# KiCad board AmigaPCI Mainboard.kicad_pcb (continued)
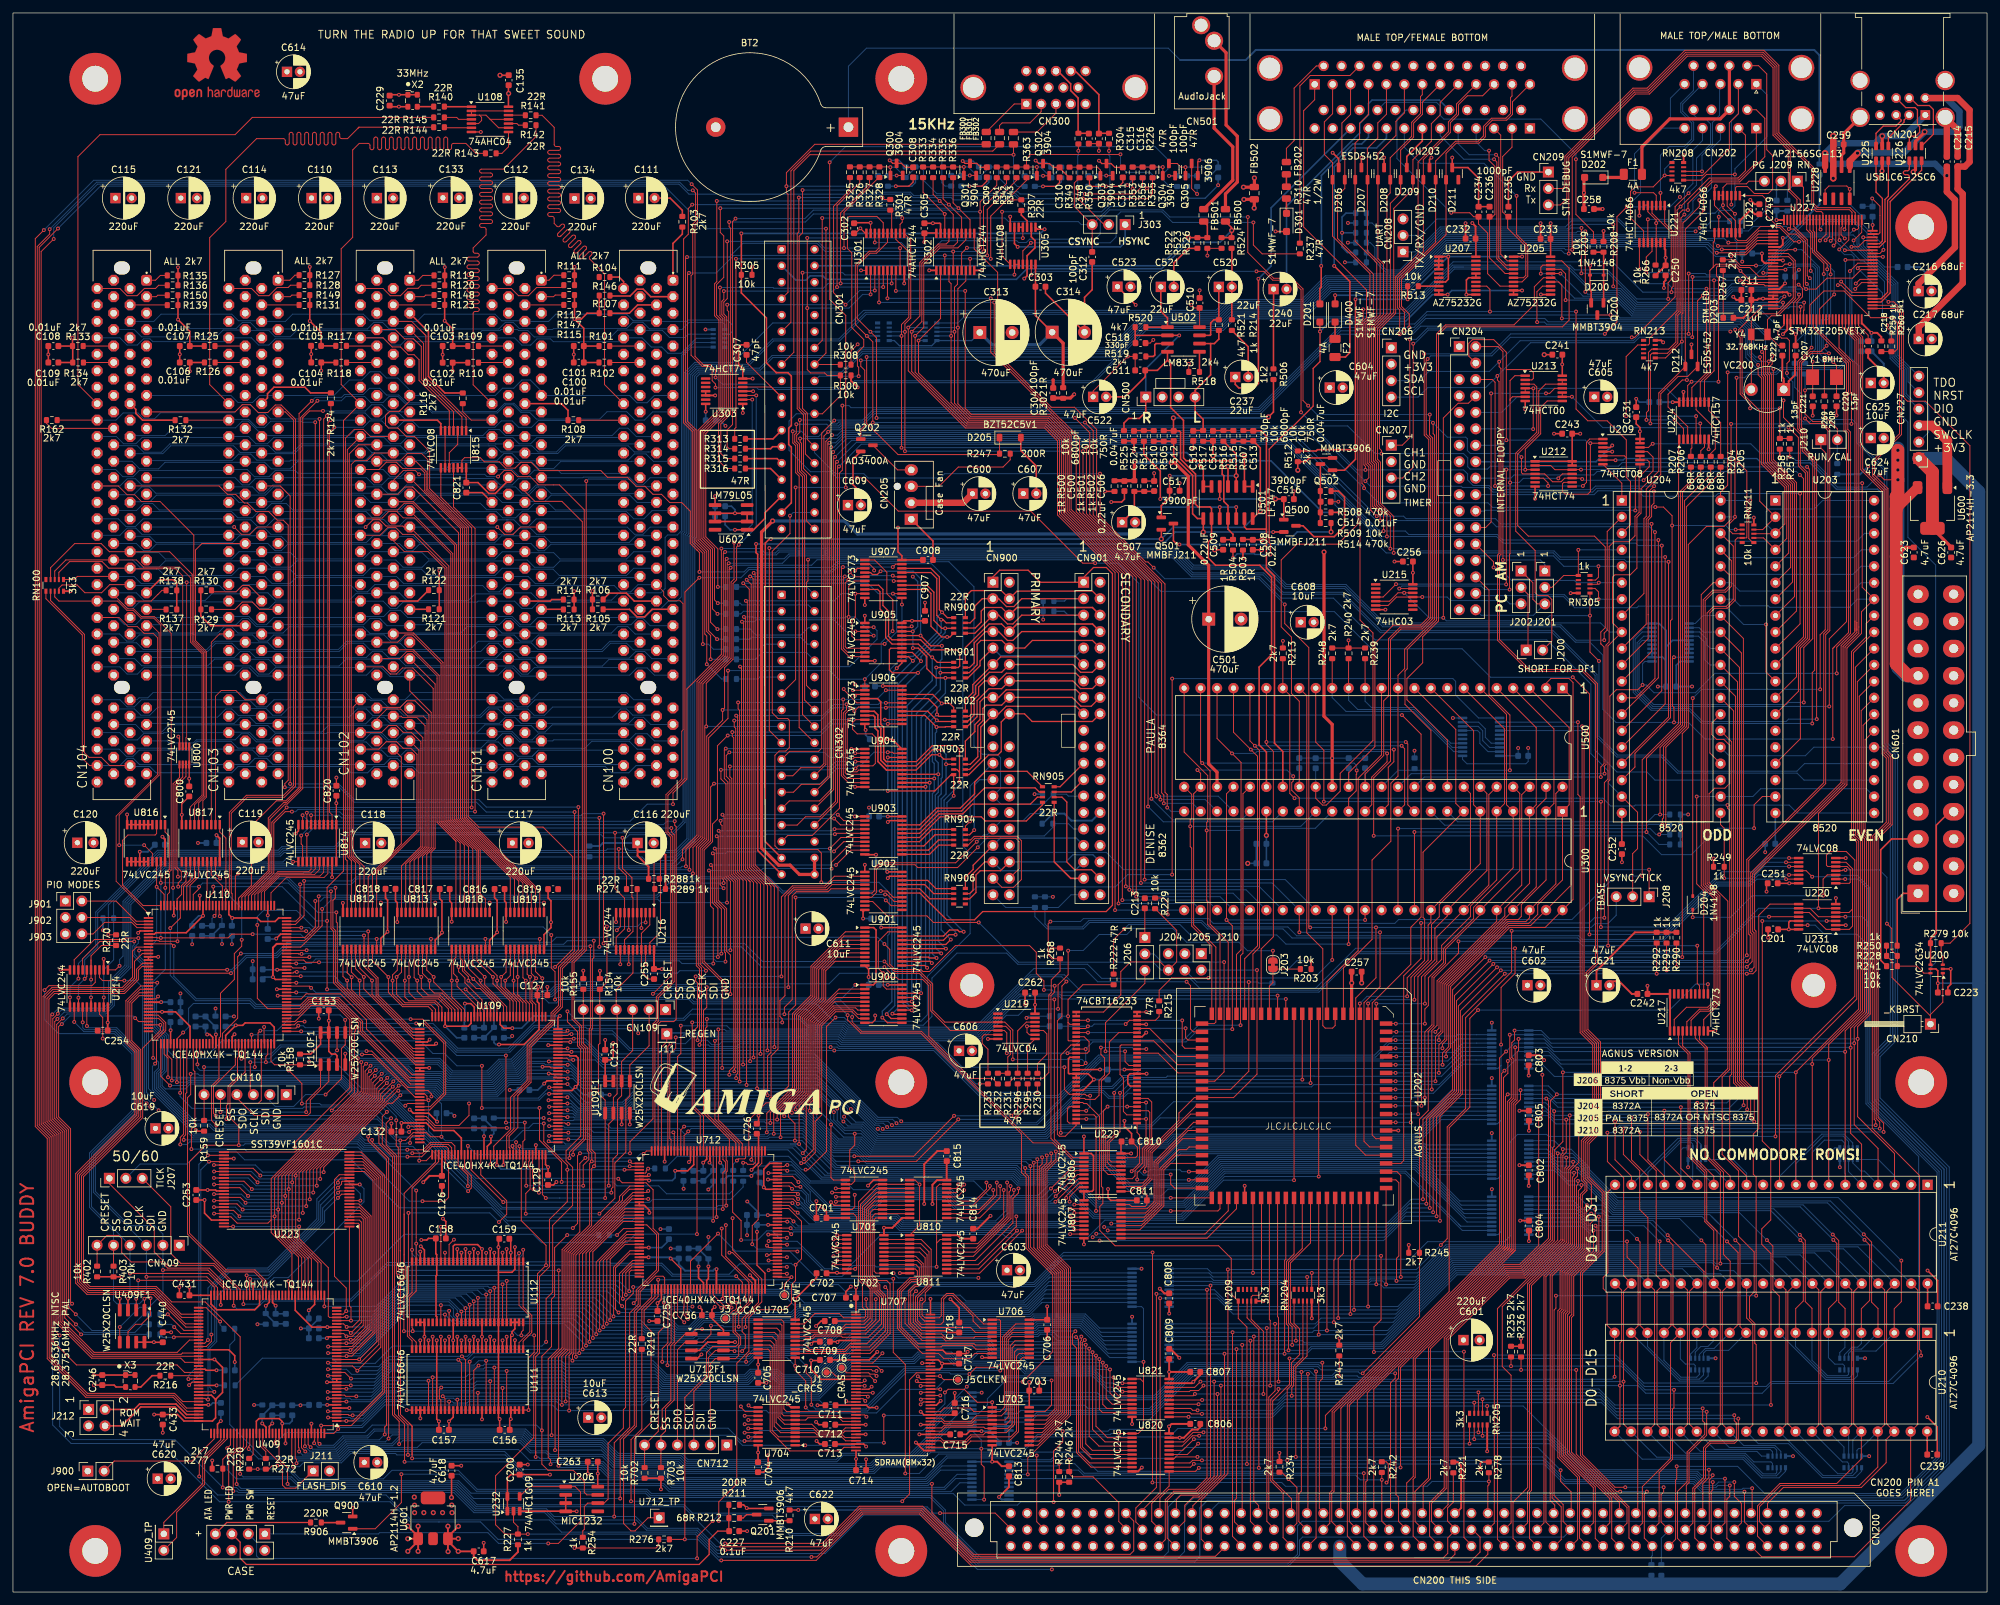
[diagram p0: board, top side]
## Routing (per net, layer and track width the routed paths; a pad name or vN(x,y) marks a point on that pad's centre or on a via; arc(x,y) is an arc through that point) (continued)
/Floppy and Parallel/_INUSE1: length 65.6
  Top w0.15: 230.57,188.77 230.57,177.88 v1(230.57,177.88) ; 230.57,188.77 230.57,191.45 228.63,193.39 225.35,193.39 224.77,192.82 224.77,190.85 CN204.4 ; 230.57,188.77 234.27,188.77 234.75,188.3 234.75,187.4 234.52,187.17 U213.2 ; U209.2 v1(243.55,177.4) 243.55,169.92 243.15,169.52 239.69,169.52 239.24,169.97 239.24,171.14 239.46,171.36 U212.9
  Bottom w0.15: v1(243.55,177.4) 243.25,177.4 242.77,177.88 v1(230.57,177.88) 229.78,177.08 CN204.14
/Floppy and Parallel/_IORST: length 53.9
  Top w0.15: v1(157.17,208.35) 155.93,207.11 U305.11 ; v1(191.52,211.49) 191.52,208 192.88,206.64 R237.1
  Bottom w0.15: v1(191.52,211.49) 179.05,211.49 177.41,213.12 171.05,213.12 170.32,212.4 170.32,209.25 169.42,208.35 v1(157.17,208.35)
/Floppy and Parallel/_MOTOR: length 23.7
  Top w0.25: v1(246.93,177.05) 246.63,176.75 U209.3
  Bottom w0.25: CN204.16 244.42,174.54 v1(246.93,177.05)
/Floppy and Parallel/_PCRDY: length 23.4
  Top w0.15: U215.6 212.32,152.35 213.62,153.65 U215.11 v1(217.6,153.65)
  Bottom w0.15: v1(217.6,153.65) 221.44,153.65 221.99,153.09 230.62,153.09 231.12,152.59 232.85,152.59
/Floppy and Parallel/_RDY: length 28.8
  Top w0.15: J202.2 233.93,154.06 233.93,145.72 ; RN305.2 244.28,154.98 244.82,154.44 v1(244.82,153.31)
  Bottom w0.15: J202.2 233.98,154.01 239.54,154.01 240.23,153.31 v1(244.82,153.31) 248.4,153.31
/Floppy and Parallel/_TRK0: length 27
  Top w0.15: v1(228.6,158.22) 228.6,159.09 CN204.26 ; v1(244.85,155.86) 244.61,155.62 RN305.3
  Bottom w0.15: 243.4,155.85 241.44,155.85 241.09,156.21 231.38,156.21 229.36,158.22 v1(228.6,158.22) ; U204.6 v1(244.85,155.86) 243.4,155.86
/Floppy and Parallel/_WPROT: length 26.7
  Top w0.15: RN305.4 244.35,156.26 244.8,156.71 v1(244.8,158.39)
  Bottom w0.15: 248.4,158.39 v1(244.8,158.39) 239.45,158.39 237.85,160 226.55,160 CN204.28
/Floppy and Parallel/INIT: length 34.8
  Top w0.15: CN203.16 206.43,234.18 200.3,234.18 198.7,232.59 198.7,209.84 198.7,209.84 R237.2
/Floppy and Parallel/LINEFEED: length 17.9
  Top w0.15: CN203.14 201.24,235.66 197.82,232.23 197.82,224.13 196.62,222.94 FB202.2
/Floppy and Parallel/SEL0: length 57.5
  Top w0.15: U215.4 211.56,153.65 v1(213.55,155.64) ; 239.21,183.92 236.88,183.92 235.88,182.92 235.88,178.86 233.5,176.48 v1(233.5,173.31) U212.3 ; v1(230.55,155.6) 230.57,155.62 v1(230.57,173.32)
  Bottom w0.15: v1(230.57,173.32) 230.59,173.31 v1(233.5,173.31) ; v1(230.55,155.6) 230.5,155.64 v1(213.55,155.64)
/Floppy and Parallel/SEL1: length 67.3
  Top w0.15: U212.11 239.23,172.66 238.6,172.03 v1(238.6,171.97) ; U213.6 231.52,184.57 231.15,184.2 231.15,184.02 ; v1(214.05,154.95) U215.13 ; 231.15,184.02 231.15,187.07 231.9,187.82 U213.1 ; 231.15,184.02 231.15,160.32 231.07,160.25 v1(231.07,154.8)
  Bottom w0.15: v1(231.15,171.32) 232.55,171.32 233.2,171.97 v1(238.6,171.97) ; v1(231.07,154.8) 227.25,154.8 226.7,155.34 214.44,155.34 v1(214.05,154.95)
/Floppy and Parallel/TICK: length 383.5
  Top w0.15: J208.1 v1(252.62,111.55) ; v1(95.27,67.75) 95.27,69.54 98.82,73.09 98.82,87.74 99.34,88.26 99.34,91.91 101.16,93.74 101.16,93.74 101.8,94.37 101.8,116.72 101.13,117.39 101.13,123.03 103.76,125.66 103.76,154.42 v1(105.97,156.63) ; v1(87.55,67.76) 87.18,67.38 87.18,56.93 v1(86.45,56.21)
  Bottom w0.15: v1(105.97,156.63) 112.4,156.63 113.68,157.91 114.72,157.91 114.96,157.67 126.25,157.67 127.38,158.8 141.82,158.8 146.67,153.95 146.67,115.19 147.64,114.21 168.81,114.21 171.48,111.55 v1(252.62,111.55) ; J207.2 19.63,66.09 26.87,66.09 28.86,68.08 34.44,68.08 35.78,66.74 52.24,66.74 59.64,59.34 73.9,59.34 77.03,56.21 86.45,56.21 v1(86.45,56.21) ; v1(95.27,67.75) 95.26,67.76 v1(87.55,67.76)
/HID and User Ports/_BACK0: length 47.5
  Top w0.15: U227.16 268.04,202.7 v1(266.73,204.01) 266,204.75 263.19,204.75 263.02,204.57 263.02,203.25 263.33,202.94 v1(263.33,186.9) ; v1(265.88,212.82) 264.67,214.03 U222.4 ; U224.14 258.57,186.3 v1(259.18,186.9) 259.19,186.88
  Bottom w0.15: v1(266.73,204.01) 266.15,204.58 266.15,208.5 265.88,208.77 v1(265.88,212.82) ; v1(259.18,186.9) v1(263.33,186.9)
/HID and User Ports/_FORWARD0: length 37.3
  Top w0.15: 271.75,203.17 269.52,203.17 268.17,204.53 266.63,204.53 266.12,205.04 262.97,205.04 262.54,204.62 ; 262.54,204.62 262.52,204.6 262.52,208.43 262.72,208.63 U222.8 ; 262.54,204.62 262,204.07 262,188.35 260.52,186.88 260.52,183.74
/HID and User Ports/_HIDEN: length 66.6
  Top w0.15: 254.37,208.45 253.72,208.45 ; 253.72,205.01 U221.12 253.72,210.53 253.72,210.53 v1(253.72,211.39) 253.72,211.86 253.67,211.91 ; 253.67,211.91 252.42,213.15 252.42,214.17 251.77,214.17 ; 253.67,211.91 253.72,211.85 ; J209.3 268.04,217.86 267.63,217.45 264.6,217.45 264.02,216.87 U222.5 ; 263.37,215.7 264.02,215.7 v1(264.02,214.16) 264.02,213.69 265.97,211.74 U222.13 265.97,209.04 266.33,208.68 267.6,208.68 269.79,210.87 272.04,210.87 272.2,210.71 272.77,210.71 274.98,208.51 v1(275.76,208.51) ; U227.37 278.95,198.13 v1(281.2,200.38)
  Bottom w0.15: v1(264.02,214.16) 262.78,212.91 262.39,212.91 ; 262.39,212.91 259.44,212.91 258.19,211.67 254,211.67 v1(253.72,211.39) ; 262.39,212.91 262.8,212.91 ; v1(275.76,208.51) 276.62,208.51 281.2,203.93 v1(281.2,200.38)
/HID and User Ports/_LEFT0: length 44.7
  Top w0.15: v1(252.19,203.74) 252.19,206.15 253.07,207.04 U221.11 ; v1(266.63,202.56) 267.76,202.56 268.12,202.2 U227.17 ; v1(262.65,202.56) 262.65,188.58 261.18,187.11 U224.10
  Bottom w0.15: v1(252.19,203.74) 252.19,203.74 255.61,203.74 256.8,202.56 v1(262.65,202.56) v1(266.63,202.56)
/HID and User Ports/_RIGHT0: length 45.5
  Top w0.15: v1(261.47,201.26) 261.47,188.25 259.23,186 U224.13 ; v1(251.13,204.22) 251.12,204.22 U221.8 ; U227.18 270.53,201.7 270.33,201.9 267.84,201.9 267.71,202.03 v1(267.17,202.03)
  Bottom w0.15: v1(251.13,204.22) 251.13,203.25 252.35,202.03 255.51,202.03 256.28,201.26 v1(261.47,201.26) 264.64,201.26 265.41,202.03 v1(267.17,202.03)
/HID and User Ports/B0: length 39.8
  Top w0.15: U222.3 265.32,214.25 v1(265.32,214.25) ; RN208.7 260.89,218.74 265.01,222.86 265.01,226.87 266.4,228.26 CN202.2
  Bottom w0.15: v1(265.32,214.25) 265.33,214.26 265.33,227.24 266.4,228.32 CN202.2
/HID and User Ports/B1: length 97.7
  Top w0.15: U224.5 259.88,181.57 v1(259.88,181.57) ; v1(249.08,181.57) 249.08,190.78 250.87,192.57 RN213.2 252.49,192.57 252.68,192.76 252.68,193.62 256.94,197.89 256.94,213.39 v1(257.48,213.94) 261.89,218.35 266.35,218.35 267.49,219.48 267.49,224.97 CN202.11 ; U227.87 279.95,209.64 v1(279,208.69)
  In2.Cu w0.15: v1(257.48,213.94) 259.72,213.94 262.11,211.55 267.39,211.55 267.65,211.28 274.15,211.28 276.75,208.69 v1(279,208.69)
  Bottom w0.15: v1(249.08,181.57) v1(259.88,181.57)
/HID and User Ports/BOOT0: length 10
  Top w0.15: J209.1 276.45,216.92 U227.94
  Bottom w0.15: J209.1 273.97,216.32 R202.2
/HID and User Ports/CH1: length 93.8
  Top w0.15: U227.59 285.43,202.2 v1(284.45,201.22) ; CN207.1 214.52,177.1 215.67,178.25 v1(215.67,193.44)
  In2.Cu w0.15: v1(284.45,201.22) 281.18,197.95 268.92,197.95 v1(265.92,194.95)
  Bottom w0.15: v1(215.67,193.44) 216.67,193.44 218.4,195.17 265.69,195.17 v1(265.92,194.95)
/HID and User Ports/CH2: length 100
  Top w0.15: CN207.3 214.55,172.02 216.19,173.66 v1(216.19,192.77) ; U227.60 285.18,202.7 v1(284.53,202.05)
  In2.Cu w0.15: v1(265.17,194.65) 265.4,194.42 266.14,194.42 266.44,194.73 266.44,195.05 269.04,197.65 281.62,197.65 284.98,201.01 284.98,201.6 v1(284.53,202.05)
  Bottom w0.15: v1(216.19,192.77) 216.42,192.77 218.52,194.88 264.95,194.88 v1(265.17,194.65)
/HID and User Ports/CLKCAL: length 28.5
  Top w0.15: R269.1 279.69,190.46 v1(279.69,190.46) ; U227.7 273.89,207.2 273.98,207.29 v1(275.18,207.29)
  Bottom w0.15: v1(279.69,190.46) 278.9,191.25 278.9,204.57 276.19,207.29 v1(275.18,207.29)
/HID and User Ports/CONS_RX: length 79.8
  Top w0.15: U227.78 284.45,212.98 283.66,213.77 278.68,213.77 278.03,214.41 278.03,219.96 272.65,225.33 272.65,235.75 270.34,238.07 258.16,238.07 252.31,232.22 250.12,232.22 239.62,221.72 239.62,217.12 239.23,216.73 CN209.2
/HID and User Ports/CONS_TX: length 81.2
  Top w0.15: U227.79 283.95,213.06 283.54,213.47 278.55,213.47 277.73,214.29 277.73,219.83 272.36,225.21 272.36,235.63 270.22,237.77 258.28,237.77 252.44,231.92 250.25,231.92 239.92,221.6 239.92,215.2 238.91,214.19 CN209.3
/HID and User Ports/DA16: length 124.3
  Top w0.15: v1(280.02,192.45) 279.15,191.58 277.55,191.58 275.87,189.9 275.87,179.74 276.57,179.04 276.57,176.33 278.19,174.72 278.19,167.84 278.18,167.84 278.18,142.35 277.81,141.98 v1(277.81,134.12) ; v1(280.65,203.48) 280.65,204.94 278.47,207.12 278.47,210.6 278.45,210.62 U227.90
  Bottom w0.15: v1(280.02,192.45) 280.02,196.37 280.65,196.99 v1(280.65,203.48) ; v1(277.81,134.12) 260.79,134.12 258.75,136.16 252.94,136.16 250.17,138.93 250.17,147.29 251.79,148.91 U201.9
/HID and User Ports/DA17: length 124.2
  Top w0.15: v1(280.12,204.26) 280.12,205.04 278.17,206.99 278.17,210.01 277.95,210.23 U227.91 ; v1(278.51,134.79) 278.49,134.81 278.49,174.84 276.87,176.46 276.87,179.16 276.17,179.86 276.17,189.78 277.67,191.28 v1(280.39,191.28)
  Bottom w0.15: v1(280.39,191.28) 279.5,192.17 279.5,196.27 280.12,196.89 v1(280.12,204.26) ; v1(278.51,134.79) 274.14,134.79 273.77,134.42 260.91,134.42 258.88,136.45 253.07,136.45 250.47,139.05 250.47,147.16 251.56,148.25 U201.8
/HID and User Ports/DA18: length 121.1
  Top w0.15: v1(280.44,136.75) 280.44,147.19 283.1,149.85 283.1,178.89 282.7,179.29 282.7,185.01 283.1,185.41 283.1,189.69 282.33,190.46 v1(280.44,190.46) ; U227.92 277.45,210.3 277.87,209.88 277.87,206.87 279.59,205.15 v1(279.59,203.52)
  Bottom w0.15: U201.7 251.79,147.6 250.77,146.58 250.77,139.18 253.19,136.75 v1(280.44,136.75) ; v1(280.44,190.46) 279.2,191.7 279.2,196.39 279.59,196.78 v1(279.59,203.52)
/HID and User Ports/DA19: length 113.3
  Top w0.15: v1(276.5,137.37) 276.5,145.84 277.88,147.22 277.88,171.91 277.88,171.92 277.88,174.59 276.27,176.21 276.27,178.92 275.57,179.62 275.57,190.03 277.7,192.16 v1(277.7,192.17) ; v1(277.57,204.01) 277.57,209.76 276.95,210.38 U227.93
  Bottom w0.15: v1(277.7,192.17) 277.7,194.61 278,194.91 278,203.58 v1(277.57,204.01) ; U201.6 251.56,146.95 251.07,146.46 251.07,139.3 253.31,137.05 273.82,137.05 274.13,137.37 v1(276.5,137.37)
/HID and User Ports/DIO: length 33.2
  Top w0.15: U227.72 285.92,208.7 284.95,207.72 v1(283.86,207.72)
  Bottom w0.15: v1(283.86,207.72) 284.18,207.72 290.13,201.77 290.13,190.62 292.01,188.74 292.01,184.93 CN227.4
/HID and User Ports/F1: length 92.3
  Top w0.15: U227.85 280.95,208.94 v1(280.66,208.65) ; v1(252.21,181) 252.21,182.14 252.52,182.45 252.52,191.43 253.02,191.93 RN213.8 255.67,191.93 256.75,193.01 256.75,197.27 257.24,197.76 257.24,212.85 257.8,213.41 v1(258.62,213.41) 258.62,214.43 262.24,218.05 266.48,218.05 269.17,220.74 CN202.10 ; v1(256.58,181) 257.93,179.66 U224.2
  In2.Cu w0.15: v1(258.62,213.41) 259.82,213.41 261.98,211.25 266.87,211.25 268.44,209.69 275.33,209.69 276.9,208.11 280.12,208.11 v1(280.66,208.65)
  Bottom w0.15: v1(256.58,181) v1(252.21,181)
/HID and User Ports/FIR0: length 29.4
  Top w0.15: U222.2 265.97,216.86 266.14,217.03 267.8,217.03 268.87,215.96 271.03,215.96 271.69,216.62 271.69,221.82 270.79,222.72 270.79,234.43 269.52,235.7 CN202.6
/HID and User Ports/FOR0: length 35.9
  Top w0.15: v1(263.38,212.35) 263.37,212.34 U222.9 ; v1(265.87,218.91) 261.49,218.91 260.6,218.02 RN208.6
  Bottom w0.15: v1(263.38,212.35) 263.38,213.05 263.69,213.36 265.17,213.36 265.87,214.06 v1(265.87,218.91) 265.87,219.77 270.81,224.71 270.81,231.22 CN202.1
/HID and User Ports/HSCLKIN: length 29.3
  Top w0.15: U227.12 273.21,204.7 273.57,205.06 v1(274.34,205.06) ; 281.56,184.57 Y1.1 281.56,189.44 v1(281.06,189.94)
  Bottom w0.15: v1(274.34,205.06) 277.99,205.06 278.6,204.45 278.6,190.76 279.42,189.94 v1(281.06,189.94)
/HID and User Ports/HSCLKOUT: length 26.9
  Top w0.15: U227.13 v1(273.67,204.2) ; 277.88,184.57 277.88,187.57 ; Y1.2 v1(277.86,189.99)
  Bottom w0.15: v1(277.86,189.99) 277.86,191.49 278.3,191.93 278.3,204.33 277.87,204.76 275.38,204.76 275.15,204.53 274,204.53 v1(273.67,204.2)
/HID and User Ports/L0: length 35.1
  Top w0.15: v1(252.43,211.97) 252.42,211.96 U221.10 ; RN208.8 v1(260.79,219.38)
  Bottom w0.15: 263.5,232.73 263.5,228.02 262.4,226.92 262.4,223.44 260.79,221.83 v1(260.79,219.38) 260.79,216.2 259.39,214.8 259.39,213.29 258.07,211.97 v1(252.43,211.97)
/HID and User Ports/L1: length 87.4
  Top w0.15: U224.3 258.57,179.96 255.55,182.99 255.55,184.96 257.75,187.16 v1(258.46,187.16) ; v1(260.38,214.93) 260.38,213.94 257.84,211.4 257.84,197.51 257.69,197.36 v1(257.69,193.1) 255.15,190.57 RN213.6 ; U227.82 282.45,210.83 282.25,210.64 282.25,209.59 v1(282.83,209.02)
  In2.Cu w0.15: v1(282.83,209.02) 282.33,209.51 276.77,209.51 273.55,212.73 271.39,212.73 270.8,212.15 264.75,212.15 261.96,214.93 v1(260.38,214.93)
  Bottom w0.15: v1(258.46,187.16) 258.46,189.7 257.69,190.47 v1(257.69,193.1) ; v1(260.38,214.93) 262.24,216.8 262.24,222.86 263.63,224.25 CN202.12
/HID and User Ports/LSCLKIN: length 20.7
  Top w0.15: U227.8 274.09,206.7 275.18,205.61 275.18,199.74 272.52,197.08 271.49,197.08 270.9,196.49 Y4.1 272.62,192.47 C222.1
/HID and User Ports/LSCLKOUT: length 27.5
  Top w0.15: VC200.2 Y4.2 268.4,196.22 269.56,197.38 272.4,197.38 274.88,199.86 274.88,205.49 274.17,206.2 U227.9
/HID and User Ports/MH0: length 9.9
  Top w0.15: R204.1 262.14,175.82 262.84,176.52 262.84,179.61 259.88,182.57 U224.12
/HID and User Ports/MH1: length 2.9
  Top w0.15: U224.7 261.18,176.81 260.6,176.24 R206.1
/HID and User Ports/MV0: length 9.2
  Top w0.15: R205.1 263.67,180.58 261.82,182.42 U224.9
/HID and User Ports/MV1: length 2.7
  Top w0.15: R207.1 259.07,176.51 259.23,176.66 U224.4
/HID and User Ports/NRST: length 46.7
  Top w0.15: U227.14 v1(270.25,203.7)
  Bottom w0.15: v1(270.25,203.7) 270.25,204.16 275.65,209.56 284.13,209.56 284.72,208.97 284.72,208.03 285.37,207.39 290.73,202.02 290.73,190.87 292.61,188.99 292.61,186.87 CN227.5
/HID and User Ports/POWER_LED: length 33.2
  Top w0.15: v1(288.72,206.18) 288.7,206.2 U227.67 ; v1(269.13,204.83) 269.12,204.83 266.75,204.83 265.86,205.72 R267.2
  Bottom w0.15: v1(269.13,204.83) 270.07,204.83 277.15,211.91 284.25,211.91 286.26,209.89 286.26,207.76 287.85,206.18 v1(288.72,206.18)
/HID and User Ports/PX0: length 25.1
  Top w0.15: v1(250.37,216.08) 253.31,216.08 253.72,215.67 U221.3
  Bottom w0.15: v1(250.37,216.08) 250.37,222.1 255.91,227.65 255.91,230.67 CN202.5
/HID and User Ports/PY0: length 26.5
  Top w0.15: U221.2 v1(254.37,216.06)
  Bottom w0.15: v1(254.37,216.06) 254.37,221.87 255.73,223.23 258.07,223.23 259.2,224.36 259.2,226.84 257.51,228.53 257.51,229.9 259.48,231.87 CN202.9
/HID and User Ports/R0: length 34.1
  Top w0.15: RN208.4 255.03,218.74 v1(255.02,218.75) 253.25,216.98 250.46,216.98 249.76,216.28 249.76,212.19 251.77,210.17 U221.9
  Bottom w0.15: v1(255.02,218.75) 255.02,219.76 259.5,224.24 259.5,226.96 257.81,228.65 257.81,229.78 260.86,232.83
/HID and User Ports/R1: length 89.7
  Top w0.15: 260.52,178.02 260.52,180.44 v1(260.52,180.45) ; v1(252.82,180.45) 252.82,191.03 253.08,191.29 RN213.7 255.45,191.29 257.05,192.89 257.05,197.15 257.54,197.64 257.54,212.18 v1(258.07,212.72) ; v1(281.1,207.91) 281.45,208.26 U227.84
  In2.Cu w0.15: v1(258.07,212.72) 260.09,212.72 261.86,210.95 266.75,210.95 268.89,208.81 271.19,208.81 272.19,207.81 281,207.81 v1(281.1,207.91)
  Bottom w0.15: CN202.13 260.86,224.14 259.38,222.65 259.38,217.5 258.07,216.19 v1(258.07,212.72) ; v1(260.52,180.45) v1(252.82,180.45)
/HID and User Ports/RX: length 79.4
  Top w0.15: U227.56 283.94,200.7 v1(282.27,202.37)
  In2.Cu w0.15: v1(260.44,210.65) 266.63,210.65 268.76,208.51 271.06,208.51 272.81,206.76 279.88,206.76 282.27,204.37 v1(282.27,202.37)
  Bottom w0.15: v1(260.44,210.65) 249.35,210.65 247.97,212.02 219.85,212.02 217.32,209.49 CN208.2
/HID and User Ports/SWCLK: length 41.1
  Top w0.15: U227.76 285.45,209.97 v1(284.19,208.71)
  Bottom w0.15: v1(284.19,208.71) 284.19,208.13 290.43,201.9 290.43,190.74 292.31,188.86 292.31,185.05 293.5,183.86 295.03,183.86 295.79,183.1 295.79,179.11 CN227.2
/HID and User Ports/TDO: length 35.3
  Top w0.15: U227.89 278.95,210.54 v1(279.09,210.4)
  Bottom w0.15: v1(279.09,210.4) 279.09,210.69 280.01,211.61 284.12,211.61 285.02,210.71 285.02,208.16 291.03,202.15 291.03,190.99 CN227.6
/HID and User Ports/TX: length 80.8
  Top w0.15: v1(281.76,201.81) 282.24,201.81 283.85,200.2 U227.55
  In2.Cu w0.15: v1(259.8,210.12) 266.74,210.12 268.64,208.21 270.94,208.21 272.69,206.46 279.76,206.46 281.75,204.47 281.75,201.83 v1(281.76,201.81)
  Bottom w0.15: CN208.1 216.52,206.95 220.36,210.79 239.68,210.79 240.62,211.72 247.85,211.72 249.45,210.12 v1(259.8,210.12)
/HID and User Ports/VMON3V3: length 87.7
  Top w0.15: v1(273.3,199.11) 273.3,198.7 272.8,198.2 U227.25 ; v1(247.09,201.62) v1(247.09,211.2)
  Bottom w0.15: v1(247.09,211.2) 240.68,211.2 239.97,210.49 220.48,210.49 214.14,204.15 212.04,204.15 210.58,205.61 210.58,210.68 209.85,211.41 208.98,211.41 ; v1(273.3,199.11) 272.45,199.11 272.19,198.85 250.69,198.85 248.24,201.3 247.41,201.3 v1(247.09,201.62)
  Bottom w0.25: 208.98,211.41 208.98,212.93
/HID and User Ports/VMON5: length 83.4
  Top w0.15: v1(273.51,200.06) 273.51,200.06 272.65,199.2 U227.23 ; v1(242.16,203.64) 242.16,210.63 v1(242.17,210.64)
  Bottom w0.15: 208.98,208.37 209.57,208.37 210.28,207.66 210.28,205.49 211.92,203.85 214.27,203.85 220.6,210.19 240.1,210.19 240.55,210.64 v1(242.17,210.64) ; v1(242.16,203.64) 246.32,203.64 250.81,199.15 272.07,199.15 272.98,200.06 v1(273.51,200.06)
  Bottom w0.25: 208.98,208.37 208.98,209.89
/HID and User Ports/VMON5SB: length 30.5
  Top w0.15: v1(268.22,182.79) 268.22,183.48 266.68,185.02 266.68,193.76 266.46,193.98 266.45,193.98 266.45,194.93 270.22,198.7 U227.24 ; v1(272.81,182.79) R258.1 R257.2
  Bottom w0.15: v1(268.22,182.79) v1(272.81,182.79)
/HID and User Ports/VMON12: length 86.4
  Top w0.15: U227.33 276.95,195.36 276.56,194.97 v1(275.94,194.97) ; v1(242.77,200.78) v1(242.77,210.12)
  Bottom w0.15: 208.98,206.85 208.98,204.6 210.02,203.55 214.39,203.55 220.73,209.89 241.34,209.89 241.56,210.12 v1(242.77,210.12) ; v1(242.77,200.78) 243.15,200.4 247.86,200.4 250.31,197.95 269.94,197.95 272.92,194.97 v1(275.94,194.97)
/HID and User Ports/VMON-12: length 25.4
  Top w0.15: U227.34 277.45,198.75 279.61,200.91 282.73,200.91 286.85,196.78 290.15,196.78 290.98,195.95 290.98,191.97 290.55,191.53 R260.1 ; R259.2 290.01,191.54
/Master Control/J900: length 19.9
  Top w0.15: J900.2 15.64,20.23 27.65,20.23 31.08,23.66 U409.110
/Master Control/TP0: length 19.4
  Top w0.15: U409.113 32.58,23.61 29.29,20.32 29.29,16.76 23.29,10.76 J409_TP0.1
/Master Control/TP1: length 22.1
  Top w0.15: J409_TP0.2 25.27,8.42 25.27,12.32 29.59,16.64 29.59,20.2 33.08,23.68 U409.114
/Master Control/U409_CRESET: length 30.1
  Top w0.15: U409.66 33.58,46.75 30.31,50.02 23.88,50.02 22.94,50.97 18.25,50.97 16.79,52.43 16.79,54.59 16.31,55.07 14.51,55.07 CN409.6 R402.2
/Master Control/U409_SCK: length 79.7
  Top w0.15: U409.70 31.58,47.01 29.92,48.67 v1(20.61,48.67) ; v1(21.24,45.4) 21.24,42.76 19.83,41.35 18.93,41.35 17.76,40.18 U409F1.6 ; 9.46,90.32 9.46,88.03 v1(9.46,88.03)
  Bottom w0.15: v1(9.46,88.03) 10.95,86.54 15.77,86.54 18.97,83.34 18.97,74.1 12.42,67.56 12.42,61.74 CN409.3 v1(20.61,48.67) 20.61,46.03 v1(21.24,45.4)
/Master Control/U409_SDI: length 83.1
  Top w0.15: v1(10.77,87.98) 10.75,87.99 10.75,90.32 ; U409F1.5 v1(16.49,40.91) ; U409.67 33.08,46.75 30.11,49.72 v1(23.16,49.72)
  Bottom w0.15: v1(10.77,87.98) 10.77,87.14 11.07,86.84 15.89,86.84 19.27,83.46 19.27,73.98 12.72,67.43 12.72,61.86 18.01,56.57 21.88,56.57 23.15,55.3 CN409.2 23.15,49.74 v1(23.16,49.72) 23.16,46.14 20.99,43.97 19.54,43.97 v1(16.49,40.91)
/Master Control/U409_SDOA: length 93.1
  Top w0.15: v1(4.88,92.95) 5.56,93.63 12.19,93.63 12.71,94.14 12.71,96.7 ; v1(18.07,49.2) 30.21,49.2 32.58,46.83 U409.68 ; U409F1.2 v1(19.03,45.29)
  Bottom w0.15: v1(4.88,92.95) 4.88,88.39 7.04,86.23 15.65,86.23 18.67,83.21 18.67,74.23 12.12,67.68 12.12,59.51 18.07,53.56 ; v1(19.03,45.29) 18.07,46.25 v1(18.07,49.2) CN409.4
/Master Control/U409_SS: length 79.8
  Top w0.15: 13.35,90.32 13.35,89.21 13.86,88.71 v1(13.86,85.47) ; R403.2 CN409.5 ; U409.71 31.08,47.09 30.03,48.14 v1(19.33,48.14) ; v1(20.3,45.29) U409F1.1
  Bottom w0.15: v1(19.33,48.14) 19.33,46.26 v1(20.3,45.29) 19.53,44.52 16.05,44.52 15.53,45.04 CN409.5 15.53,55.67 11.82,59.38 11.82,67.8 18.37,74.35 18.37,83.09 15.99,85.47 v1(13.86,85.47)
/PCI Bridge/J901: length 11.6
  Top w0.15: 10.65,106.7 15.91,106.7 19.02,103.59 U110.2
/PCI Bridge/J902: length 10.7
  Top w0.15: U110.3 19.08,103.09 18.01,104.16 10.65,104.16
/PCI Bridge/J903: length 11.4
  Top w0.15: U110.4 19.16,102.59 18.34,103.41 14.15,103.41 12.36,101.62 10.65,101.62
/PCI Bridge/U109_CRESET: length 44.7
  Top w0.15: U109.66 79.23,62.75 v1(79.24,62.74) ; R155.2 CN109.6 88.06,84.71 88.69,84.08 88.69,68.12 88.91,67.9 88.91,66.77 88.05,65.91 v1(88.05,62.74)
  Bottom w0.15: v1(79.24,62.74) 79.25,62.74 v1(88.05,62.74)
/PCI Bridge/U110_CRESET: length 19.7
  Top w0.15: v1(37.34,81.07) U110.66 ; R159.2 29.51,76.8 ; CN110.6 v1(29.5,81.07)
  Bottom w0.15: v1(29.5,81.07) v1(37.34,81.07)
/PCI Bus/_ACK64: length 114.3
  Top w0.15: RN100.1 5.09,153.4 10.71,147.78 10.71,128.75 11.84,127.62 CN104.B60
  Bottom w0.15: 74.11,127.78 77.29,127.78 78.25,128.74 80.16,128.74 81.12,127.78 94.1,127.78 ; 53.8,127.78 57.3,127.78 58.26,128.74 59.34,128.74 60.3,127.78 73.79,127.78 ; CN104.B60 16.51,127.62 17.62,128.74 18.58,128.74 19.54,127.78 33.17,127.78 ; 53.48,127.78 40.14,127.78 39.18,128.74 37.37,128.74 36.41,127.78 33.47,127.78
/PCI Bus/_INTA: length 123.2
  Top w0.13: 61.04,196.21 61.56,196.21 63.37,194.4
  Top w0.15: U815.1 69.97,181.3 63.75,187.52 63.75,194.02 62.84,194.93 ; 63.65,194.12 63.37,194.4 ; 61.04,196.21 CN102.A6
  Bottom w0.13: RN101.2 110.69,194.24 111.06,194.61 111.06,195.68 110.32,196.42 104.2,196.42 104,196.21 CN100.A6 ; 38.31,196.31 34.81,196.31 33.79,197.33 22.87,197.33 21.75,196.21 CN104.A6 ; 58.72,196.2 62.39,196.2 63.51,197.33 74.43,197.33 75.45,196.31 ; 58.62,196.31 55.12,196.31 54.1,197.33 43.18,197.33 42.06,196.21 38.39,196.21
  Bottom w0.15: 78.95,196.31 75.45,196.31 ; 99.24,196.31 95.77,196.31 94.75,197.33 83.82,197.33 82.7,196.2 79.03,196.2
/PCI Bus/_INTB: length 119.1
  Top w0.15: U815.4 68.02,182.26 63.05,187.23 63.05,192.33 61.86,193.52 60.46,193.52 59.03,194.94 CN102.B7
  Bottom w0.13: 96.94,194.83 100.26,194.83 101.37,193.72 103.75,193.72 104.27,194.24 RN101.9 ; 56.04,194.8 43.79,194.8 42.83,193.84 40.49,193.84 39.53,194.8 36.01,194.8 ; CN104.B7 18.73,194.94 19.86,193.82 31.39,193.82 32.45,194.88 35.8,194.88 ; 56.28,194.85 59.11,194.85 60.12,193.84 71.47,193.84 72.44,194.81 75.2,194.81 75.34,194.94 CN101.B7 77.91,194.94 78.07,194.79 79.51,194.79 80.49,193.81 92.32,193.81 92.32,193.82 93.38,194.88 96.76,194.88
/PCI Bus/_INTC: length 112
  Top w0.15: U815.2 69.32,181.46 63.4,187.38 63.4,192.81 CN102.A7
  Bottom w0.13: 20.79,195.11 34.47,195.11 35.41,196.05 36.64,196.05 37.66,195.03 40.86,195.03 ; 41.04,195.04 54.72,195.04 55.73,196.05 57.08,196.05 58.02,195.11 61.1,195.11 ; CN100.A7 103.28,194.94 104.38,196.03 109.59,196.03 109.92,195.71 RN101.1 ; 81.44,195.09 78.19,195.09 77.23,196.05 76.02,196.05 75.01,195.04 61.36,195.04 ; 101.79,195.06 98.27,195.06 97.26,196.07 95.7,196.07 94.74,195.11 83.46,195.11 83.32,194.97 81.61,194.97
/PCI Bus/_INTD: length 125
  Top w0.15: U815.5 67.37,182.42 62.7,187.09 62.7,190.3 61.93,191.07 61.02,191.07 59.83,192.26 58.56,192.26 57.15,193.67 CN102.B8
  Bottom w0.13: 73.95,193.66 77.45,193.66 78.57,192.55 79.94,192.55 79.94,192.56 80.89,193.51 83,193.51 83.44,193.07 93.67,193.07 94.27,193.66 ; CN103.B8 32.73,193.08 21.6,193.08 21.16,193.52 20.16,193.52 19.2,192.56 17.62,192.56 16.51,193.67 CN104.B8 ; 53.49,193.52 40.47,193.52 39.51,192.56 37.93,192.56 36.82,193.67 33.31,193.67 ; 53.64,193.66 57.14,193.66 58.26,192.55 59.84,192.55 60.8,193.51 61.79,193.51 62.23,193.07 73.36,193.07 73.96,193.66
  Bottom w0.15: CN100.B8 97.13,193.67 98.56,192.25 100.17,192.25 101.13,191.29 103.19,191.29 105.5,193.6 RN101.8
/PCI Bus/_REQ64: length 118.5
  Top w0.15: RN100.2 5.81,153.1 11.03,147.88 11.03,129.61 11.75,128.89 13.66,128.89 14.93,127.62 CN104.A60
  Bottom w0.15: 78.9,127.48 75.4,127.48 74.43,126.51 62.69,126.51 61.72,127.48 58.87,127.48 ; 38.26,127.48 34.76,127.48 33.79,126.51 22.09,126.51 21.12,127.48 18.23,127.48 ; 79.19,127.48 81,127.48 91.45,127.48 92.42,126.51 95.09,126.51 96.21,127.62 CN100.A60 ; 58.58,127.48 55.73,127.48 54.76,126.51 52.18,126.51 51.21,127.48 38.55,127.48
/PCI Bus/SMBCLK0: length 9.1
  Top w0.25: CN100.A40 95.93,153.02 94.71,154.25 92.09,154.25 R106.2
/PCI Bus/SMBCLK1: length 6
  Top w0.25: CN101.A40 82.96,153.02 83.19,153.26 R114.2
/PCI Bus/SMBCLK2: length 6.1
  Top w0.25: R122.2 62.49,153.02 CN102.A40